# Altium PCB BC2-1AA.PcbDoc (part 1 of 2)
Units mm, origin at the board's own origin, x right, y up, seen from the top; angles counter-clockwise.
Board outline 200 x 80 mm, 4 copper layers (Top Layer, Mid 1 (GND), Mid 2 (PWR), Bottom Layer), stack 1.586 mm thick; 113 components, 55 nets, 355 pads, 77 vias.
Unrouted connection lines stored in the file: 7.
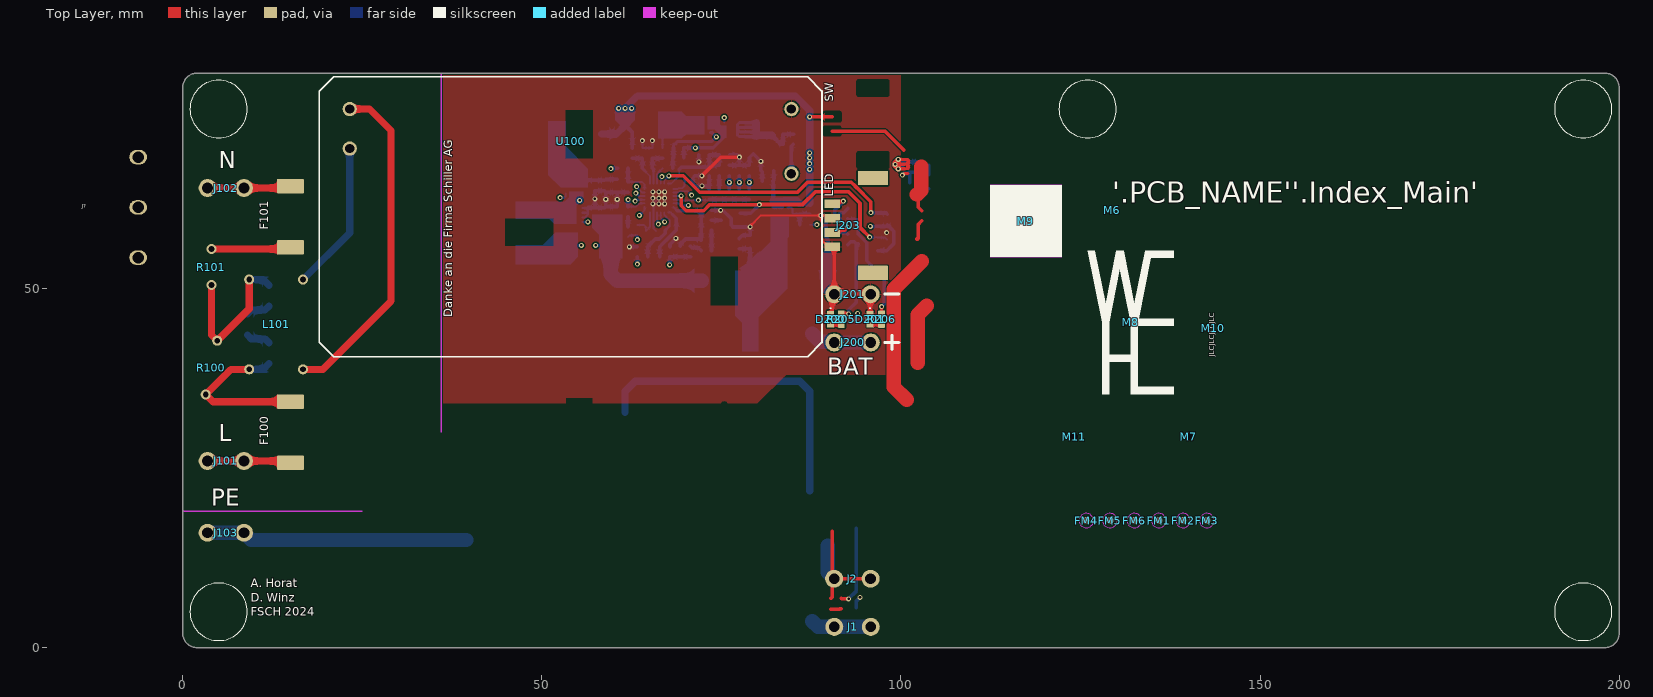
[diagram p0: Top Layer view]
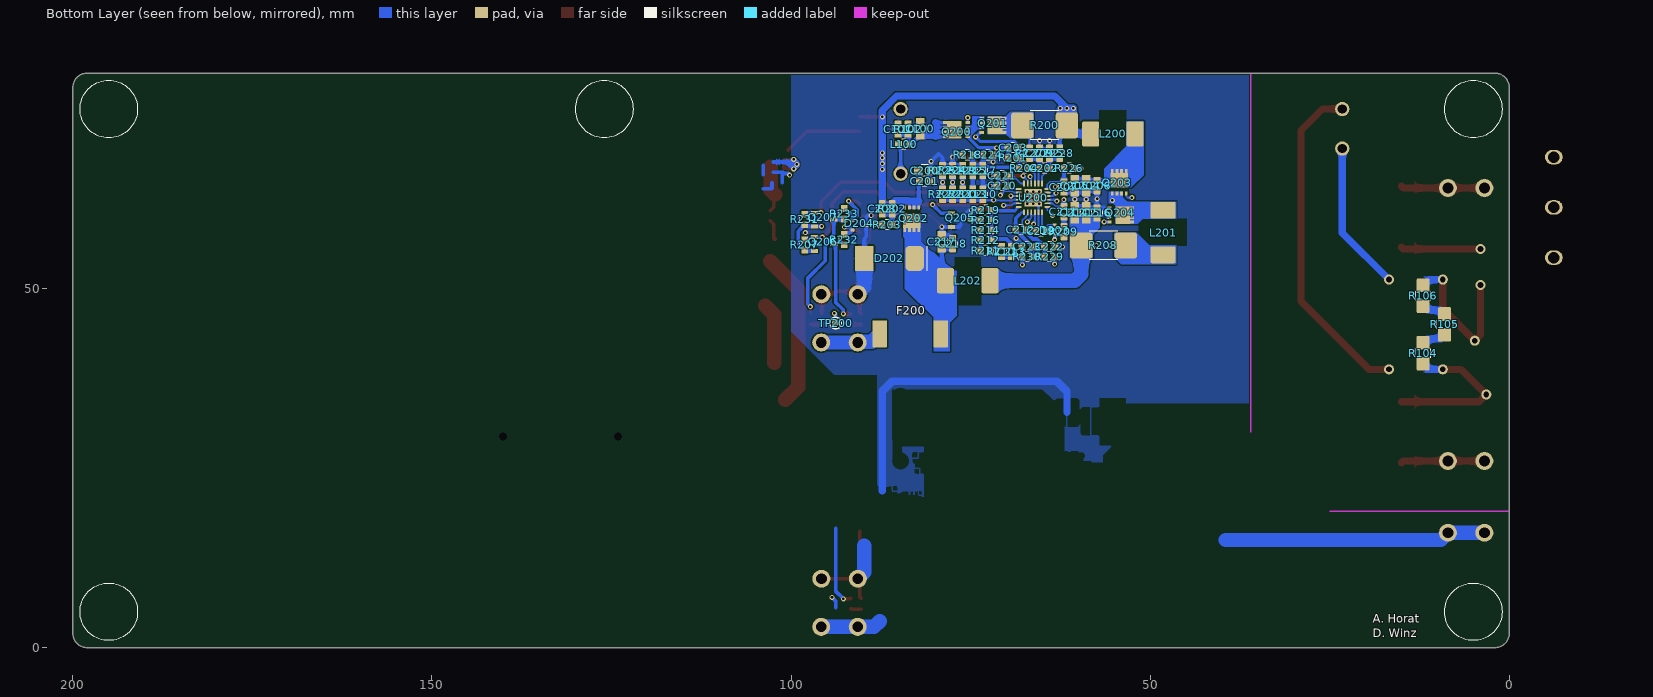
[diagram p1: Bottom Layer view, seen from below]
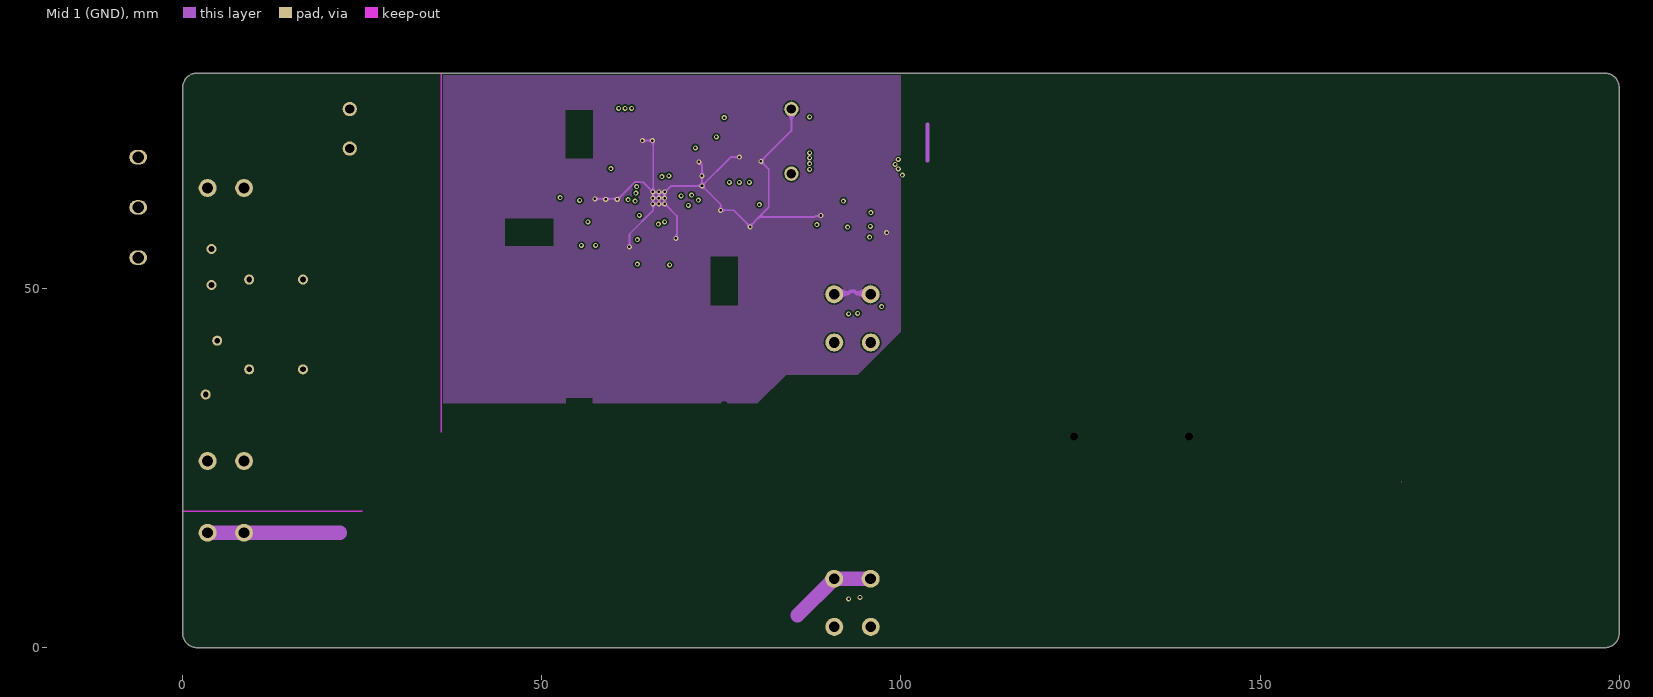
[diagram p2: Mid 1 (GND)]
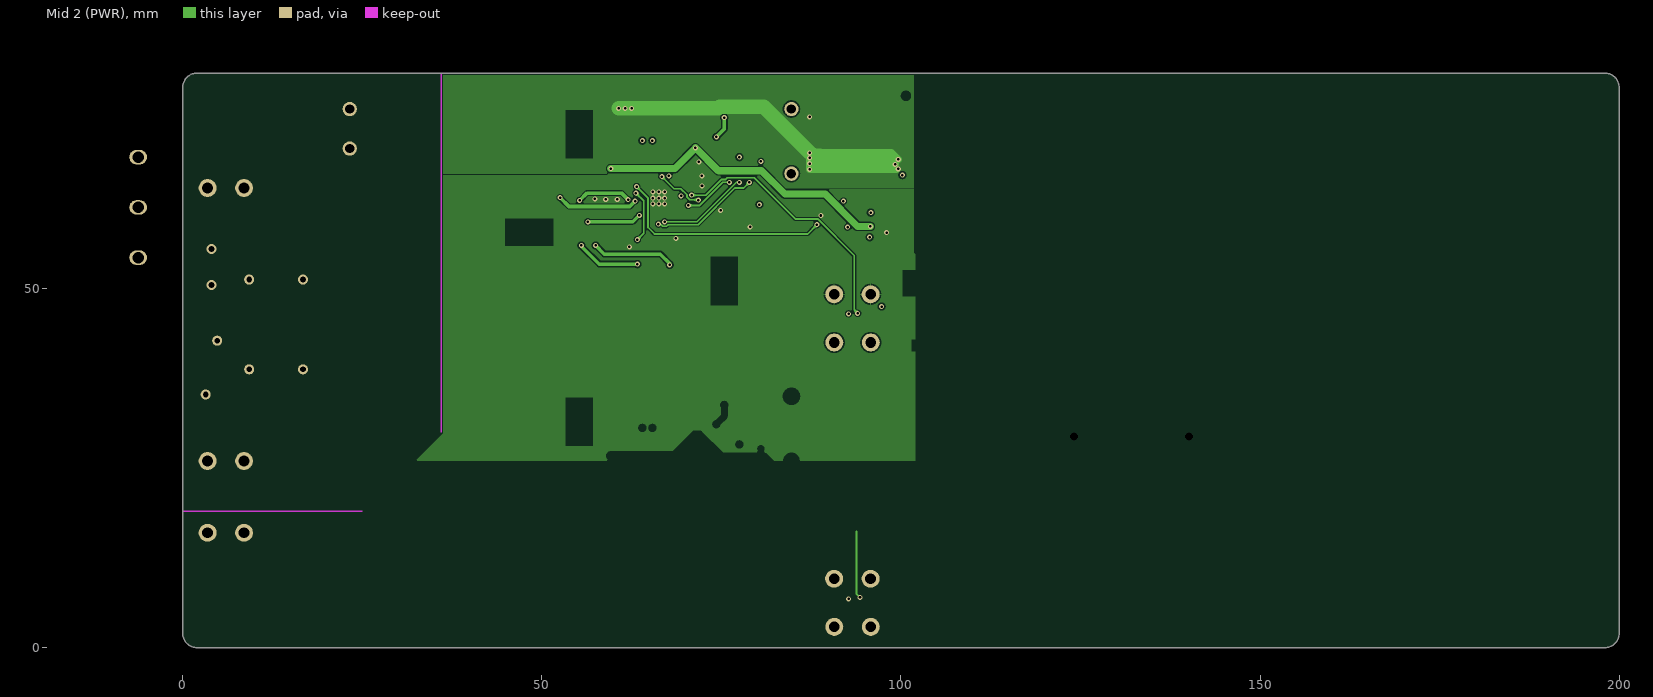
[diagram p3: Mid 2 (PWR)]
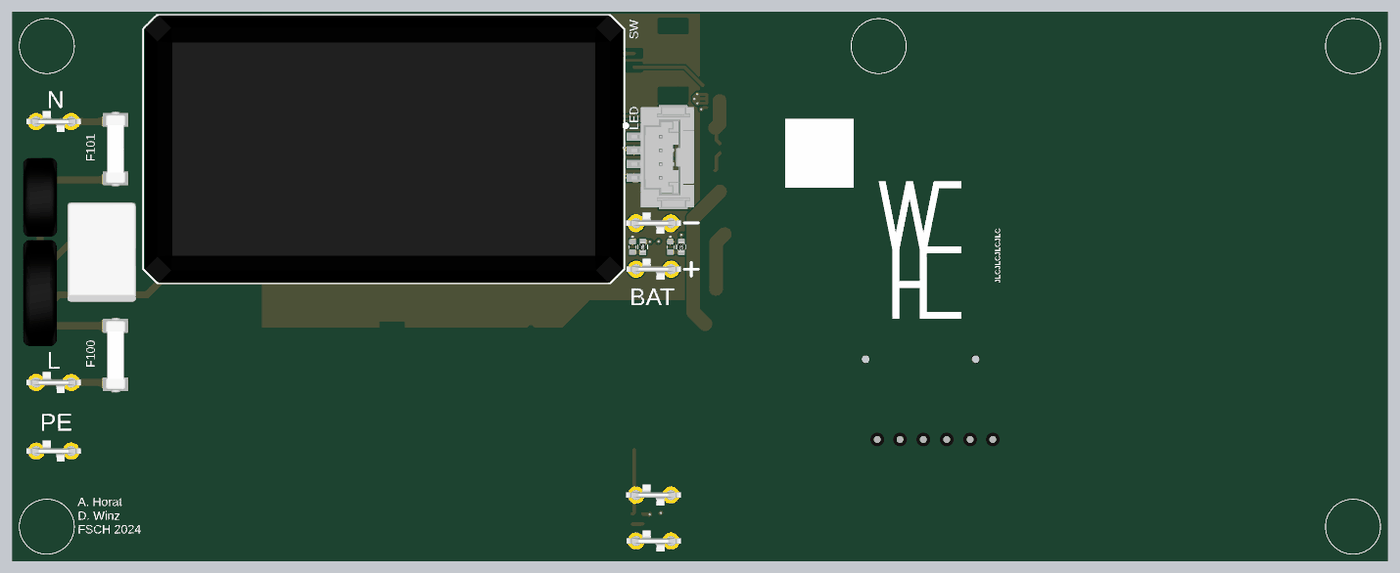
[diagram p5: 3D render of the assembled board from above, using the file's embedded part models]
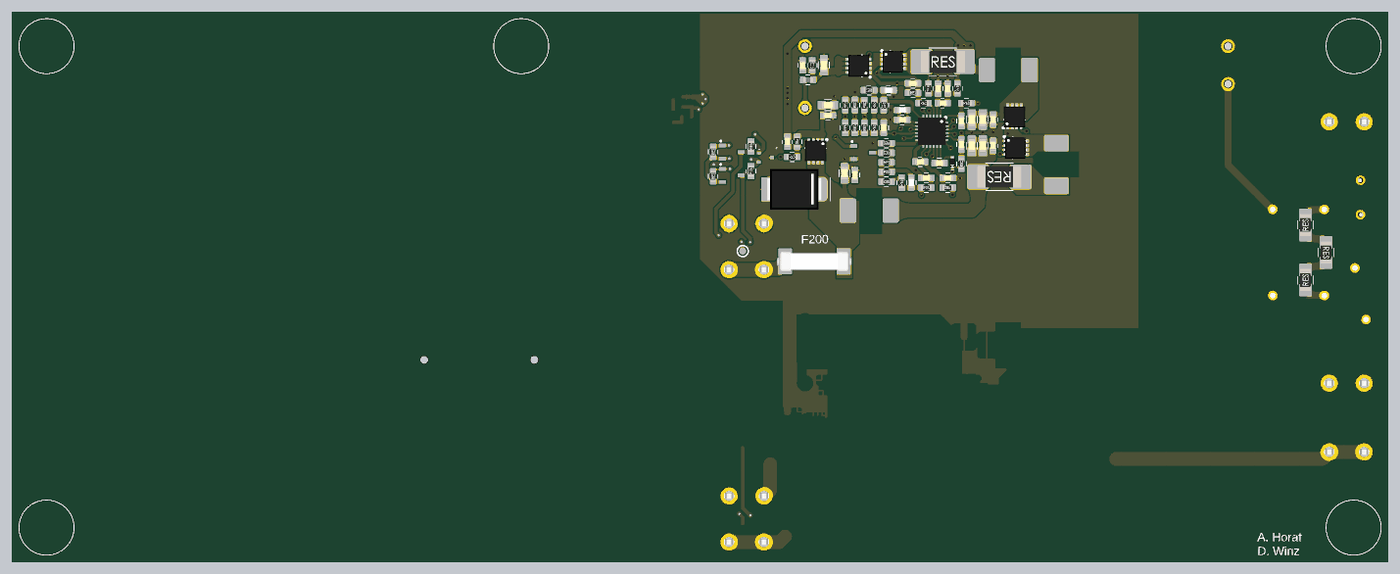
[diagram p6: 3D render of the assembled board from below, using the file's embedded part models]

## Layer stack, top to bottom
Top Solder: solder mask 0.0102, Solder Resist, Dk 3.5
Top Layer: signal copper 0.035
Dielectric 2: prepreg 0.2104, PP-006, Dk 4.1
Mid 1 (GND): signal copper 0.0152
Dielectric 1: dielectric 1.065, FR-4, Dk 4.8
Mid 2 (PWR): signal copper 0.0152
Dielectric 3: prepreg 0.2104, PP-006, Dk 4.1
Bottom Layer: signal copper 0.035
Bottom Solder: solder mask 0.0102, Solder Resist, Dk 3.5

## Board outline
0,2 ccw(c2,2) 2,0 198,0 ccw(c198,2) 200,2 200,78 ccw(c198,78) 198,80 2,80 ccw(c2,78) 0,78

## Design rules (kind name [scope] priority, off if disabled: settings)
BoardOutlineClearance [All] p1: gap=0.3 ignorepadtopadclearanceinfootprint=FALSE except(0: Arc-SplitContinuation Track-SplitContinuation SMDPad-SplitContinuation THPad-SplitContinuation Via-SplitContinuation Fill-SplitContinuation Poly-SplitContinuation Region-SplitContinuation Text-SplitContinuation)
Clearance Clearance_Nettie [InNet('NetJ50_1') or InNet('NetJ47_1') vs InNet('GND')] p1: gap=0 ignorepadtopadclearanceinfootprint=TRUE except(0.25: Arc-Poly Track-Poly SMDPad-Poly THPad-Poly Via-Poly Fill-Poly Poly-Poly)
Clearance Clearance_1 [All] p2: gap=0.2 ignorepadtopadclearanceinfootprint=FALSE except(0: Arc-Hole Track-Hole SMDPad-Hole THPad-Hole Via-Hole Fill-Hole Poly-Hole Region-Hole Text-Hole; 0.15: Arc-Arc Arc-Track Arc-SMDPad Arc-THPad Arc-Via Arc-Text Track-Track Track-SMDPad Track-THPad Track-Via Track-Text SMDPad-SMDPad SMDPad-THPad SMDPad-Via SMDPad-Text THPad-THPad THPad-Via THPad-Text Via-Via Via-Text Text-Text)
Clearance Clearance_LN1 [InNet('LN1') vs InNet('LN2')or InNet('L_f')] p3: gap=1 ignorepadtopadclearanceinfootprint=FALSE except(0: Arc-Hole Track-Hole SMDPad-Hole THPad-Hole Via-Hole Fill-Hole Poly-Hole Region-Hole Text-Hole)
Clearance Clearance_LN2 [InNet('LN2') vs InNet('LN1')or InNet('N_f')] p4: gap=1 ignorepadtopadclearanceinfootprint=FALSE except(0: Arc-Hole Track-Hole SMDPad-Hole THPad-Hole Via-Hole Fill-Hole Poly-Hole Region-Hole Text-Hole)
Clearance Clearance_L_N [InNet('L') or InNet('L_f')       or InNet('L_filt') vs InNet('N') or InNet('N_f')    or InNet('N1')         or InNet('N_filt')] p5: gap=3 ignorepadtopadclearanceinfootprint=FALSE except(0: Arc-Hole Track-Hole SMDPad-Hole THPad-Hole Via-Hole Fill-Hole Poly-Hole Region-Hole Text-Hole)
Clearance Clearance_Main [InNetClass('MAIN') vs not InNetClass('MAIN')] p6: gap=5 ignorepadtopadclearanceinfootprint=FALSE except(0: Arc-Hole Track-Hole SMDPad-Hole THPad-Hole Via-Hole Fill-Hole Poly-Hole Region-Hole Text-Hole)
DiffPairsRouting DiffPairsRouting_1 [InDifferentialPairClass('Ethernet')] p1: maxlimit=0.2 minlimit=0.2 mostfreqgap=0.2 toplayer_minwidth=0.25 toplayer_maxwidth=0.25 toplayer_prefwidth=0.25 midlayer1_minwidth=0.15 midlayer1_maxwidth=0.15 midlayer1_prefwidth=0.15 midlayer2_minwidth=0.15 midlayer2_maxwidth=0.15 midlayer2_prefwidth=0.15 bottomlayer_minwidth=0.25 bottomlayer_maxwidth=0.25 bottomlayer_prefwidth=0.25 impedanceprofiledriven=TRUE impedanceprofileid={F314AFD9-4B0A-4155-A8AD-14F866BC571A} impedanceprofilevalue=100.000000 maxuncoupledlength=12.7
DiffPairsRouting [All] p2: maxlimit=0.254 minlimit=0.254 mostfreqgap=0.254 toplayer_minwidth=0.381 toplayer_maxwidth=0.381 toplayer_prefwidth=0.381 midlayer1_minwidth=0.381 midlayer1_maxwidth=0.381 midlayer1_prefwidth=0.381 midlayer2_minwidth=0.381 midlayer2_maxwidth=0.381 midlayer2_prefwidth=0.381 bottomlayer_minwidth=0.381 bottomlayer_maxwidth=0.381 bottomlayer_prefwidth=0.381 maxuncoupledlength=12.7
Height [All] p1: minheight=0 maxheight=100 prefheight=12.7
HoleSize [All] p1: absolutevalues=TRUE maxlimit=27 minlimit=0.3 maxpercent=80.000 minpercent=20.000
HoleToHoleClearance [All] p1: gap=0.3 allowstackedmicrovias=TRUE
MinimumSolderMaskSliver [All] p1: minsoldermaskwidth=0.1
PolygonConnect [All] p1: thpad.connectstyle=Relief thpad.reliefconductorwidth=0.2 thpad.reliefentries=4 thpad.polygonreliefangle="90 Angle" thpad.airgapwidth=0.2 smdpad.connectstyle=Relief smdpad.reliefconductorwidth=0.2 smdpad.reliefentries=4 smdpad.polygonreliefangle="90 Angle" smdpad.airgapwidth=0.2 via.connectstyle=Direct via.reliefconductorwidth=0.254 via.reliefentries=4 via.polygonreliefangle="90 Angle" via.airgapwidth=0.254
RoutingVias [All] p1: holewidth=0.35 width=0.7 viastyle="Through Hole" minholewidth=0.35 minwidth=0.7 maxholewidth=5 maxwidth=6
SilkToSilkClearance [All] p1: silktosilkclearance=0.1
SilkToSolderMaskClearance [IsPad] p1: minsilkscreentomaskgap=0.1 clearancetoexposedcopper=TRUE
SolderMaskExpansion [All] p1: expansion=0.05 istentingtop=FALSE
UnRoutedNet [All] p1: checkbadconnections=TRUE
Width [All] p1: maxlimit=5 minlimit=0.15 preferedwidth=0.2 minimp=50.000000 maximp=50.000000 favimp=50.000000
22 further rules are at their usual default settings.

## Classes and differential pairs
component class TOP: FM1 FM2 FM3 FM4 FM5 FM6 J1 J2 M6 M7 M8 M9 M10 M11
net class MAIN: L L_f L_filt LN1 LN2 N N1 N_f N_filt
component class "Mains input": C100 C101 F100 F101 J101 J102 J103 J? L100 L101 R100 R101 R102 R104 R105 R106 U100
component class "Charger Upper": C200 C201 C202 C203 C204 C205 C206 C207 C208 C209 C210 C211 C212 C213 C214 C215 C216 C217 C218 C219 C220 C221 C222 C223 C224 C225 D200 D201 D202 D203 D204 F200 J200 J201 J203 L200 L201 L202 Q200 Q201 Q202 Q203 Q204 Q205 Q206 Q207 R200 R201 R202 R203 R204 R205 R206 R207 R208 R209 R210 R211 R212 R213 R214 R215 R216 R217 R218 R219 R220 R221 R222 R223 R224 R225 R226 R227 R228 R229 R230 R231 R232 R233 TP200 U200

## Components (designator, comment, footprint, x,y, rotation, side; value= is the part's Value field where it differs from the comment)
C100 "10U/0805/50V/X5R" CAP0805_X7R 82,72.25 r90 bottom value=10uF
C101 "100N/0603/50V/X7R" CAP0603_X7R 85.1,72.2 r90 bottom value=100nF
C200 "10U/0805/50V/X5R" CAP0805_X7R 81.4,66.427 r180 bottom value=10uF
C201 "100N/0603/50V/X7R" CAP0603_X7R 81.4,64.927 r180 bottom value=100nF
C202 "100N/0603/50V/X7R" CAP0603_X7R 64.725,66.727 r180 bottom value=100nF
C203 "100N/0603/50V/X7R" CAP0603_X7R 69.051,69.599 r180 bottom value=100nF
C204 "10U/0805/50V/X5R" CAP0805_X7R 58.9,64.327 r270 bottom value=10uF
C205 "10U/0805/50V/X5R" CAP0805_X7R 60.5,64.327 r270 bottom value=10uF
C206 "100N/0603/50V/X7R" CAP0603_X7R 57.4,64.327 r270 bottom value=100nF
C207 "1.0U/0603/50V/X7R" CAP0603_X7R 62,64.127 r90 bottom value=1.0uF
C208 "100N/0603/50V/X7R" CAP0603_X7R 87.299,61.1 r270 bottom value=100nF
C209 "100N/0603/50V/X7R" CAP0603_X7R 65.4,68.852 r90 bottom value=100nF
C210 "1.0U/0603/50V/X7R" CAP0603_X7R 73.3,63.127 r90 bottom value=1.0uF
C211 "1.0U/0603/50V/X7R" CAP0603_X7R 62,60.7 r90 bottom value=1.0uF
C212 "100N/0603/50V/X7R" CAP0603_X7R 67.999,58.2 r0 bottom value=100nF
C213 "10P/0603/50V/C0G" CAP0603_C0G 69.3,55.152 r90 bottom value=10pF
C214 "22U/0805/25V/X5R" CAP0805_X7R 60.5,60.527 r90 bottom value=22uF
C215 "22U/0805/25V/X5R" CAP0805_X7R 58.9,60.527 r90 bottom value=22uF
C216 "100N/0603/50V/X7R" CAP0603_X7R 57.4,60.527 r90 bottom value=100nF
C217 "10U/0805/50V/X5R" CAP0805_X7R 79,56.527 r90 bottom value=10uF
C218 "100N/0603/50V/X7R" CAP0603_X7R 77.5,56.252 r90 bottom value=100nF
C219 "1.0U/0603/50V/X7R" CAP0603_X7R 65.199,58 r180 bottom value=1.0uF
C220 "100N/0603/50V/X7R" CAP0603_X7R 70.599,64.3 r0 bottom value=100nF
C221 "10N/0603/50V/C0G" CAP0603_C0G 70.599,65.7 r0 bottom value=10nF
C222 "100N/0603/50V/X7R" CAP0603_X7R 63.975,55.827 r180 bottom value=100nF
C223 "100N/0603/50V/X7R" CAP0603_X7R 67.125,55.827 r0 bottom value=100nF
C224 "10P/0603/50V/C0G" CAP0603_C0G 72.575,68.6 r180 bottom value=10pF
C225 "100N/0603/50V/X7R" CAP0603_X7R 64,68.852 r90 bottom value=100nF
D200 "LED Green" LED0603_GREEN 90.2,45.738 r270 top value=Green
D201 "LED Red" LED0603_RED 95.7,45.738 r270 top value=Red
D202 "5.0SMDJ15CA" DIOM7959X265 86.3,54.2 r0 bottom
D203 "BAS70-02V-G3-08" SOD1608X065 63.3,58.127 r90 bottom value=70V/100mA
D204 "PESD1CAN-UX" SOT65P210X95-3-SE 90.5,58.8 r0 bottom
F100 "3.15A/UMT250/FUSE" UMT250 15,30 r90 top value=3.15A
F101 "3.15A/UMT250/FUSE" UMT250 15,60 r270 top value=3.15A
F200 "6.3A/UMT250/FUSE" UMT250 83.4,43.7 r0 bottom value=6.3A
FM1 "Fidu_1mm" FIDU-1MM 135.9,17.7 r0 top
FM2 "Fidu_1mm" FIDU-1MM 139.3,17.7 r0 top
FM3 "Fidu_1mm" FIDU-1MM 142.6,17.7 r0 top
FM4 "Fidu_1mm" FIDU-1MM 125.8,17.7 r0 top
FM5 "Fidu_1mm" FIDU-1MM 129.1,17.7 r0 top
FM6 "Fidu_1mm" FIDU-1MM 132.5,17.7 r0 top
J1 "6.35mmx0.81mm Tab THT" Tab_THT_635 93.26,2.9 r180 top
J2 "6.35mmx0.81mm Tab THT" Tab_THT_635 93.24,9.6 r180 top
J101 "6.35mmx0.81mm Tab THT" Tab_THT_635 6,26 r0 top
J102 "6.35mmx0.81mm Tab THT" Tab_THT_635 6,64 r0 top
J103 "6.35mmx0.81mm Tab THT" Tab_THT_635 6,16 r0 top
J200 "6.35mmx0.81mm Tab THT" Tab_THT_635 93.261,42.5 r180 top
J201 "6.35mmx0.81mm Tab THT" Tab_THT_635 93.241,49.2 r180 top
J203 "5600200420" 5600200420 94.5,58.8 r90 top
J? "GSP1.9203.1" GSP1.9203.1 -6.2,61.3 r270 top
L100 "30R/0603/FERRITE" FB0603 84.3,70.1 r180 bottom value=30R
L101 "1MH/THT/CMC" DFKH-CASE-50-2 13,45 r180 top value=1MH
L200 "470NH/6630" INDM660730X30 55.2,71.527 r180 bottom value=470NH
L201 "22UH/6630" INDM660730X30 48.199,57.8 r270 bottom value=22UH
L202 "470NH/6630" INDM660730X30 75.399,51.1 r180 bottom value=470NH
M6 "PCB NAME" PCB-NAME-5MM-LEFT 129.4,60.9 r0 top
M7 "Tooling JLC" TOOLING-JLC 140.1,29.4 r0 top
M8 "LOGO WHE" LOGO-WHE-20MM 128,35.3 r0 top
M9 "SERIAL 2D" SERIAL-2D-10MM-RESTRICT 117.4,59.4 r0 top
M10 "ORDER NO" JLC-ORDER 143.5,44.5 r90 top
M11 "Tooling JLC" TOOLING-JLC 124.1,29.4 r90 top
Q200 "MCG35P04-TP" SON065P330X330X075-5-TH245X175 76.9,72.127 r90 bottom
Q201 "MCG35P04-TP" SON065P330X330X075-5-TH245X175 71.96,72.727 r270 bottom
Q202 "MCG35P04-TP" SON065P330X330X075-5-TH245X175 83.2,59.787 r0 bottom
Q203 "GSFN1036" SON065P330X330X075-5-TH245X175 54.3,64.727 r180 bottom
Q204 "GSFN1036" SON065P330X330X075-5-TH245X175 54.16,60.227 r270 bottom
Q205 "2N7002" SOT2395P280X125-3-SE 76.3,59.527 r0 bottom
Q206 "BSS84" SOT2395P280X125-3-SE 95.4,56.2 r0 bottom
Q207 "BSS84" SOT2395P280X125-3-SE 95.4,59.6 r0 bottom
R100 "ERZ-V14D391" RESD750W80D155 4,39 r90 top value=391V
R101 "25R/THT/NTC" RESD500W60D115 4,53 r270 top value=25R
R102 "1M/0603" R0603-0.40-WW 83.7,72.2 r90 bottom value=1M
R104 "330K/1206" R1206-0.80-WW 12,41 r90 bottom value=330K
R105 "330K/1206" R1206-0.80-WW 9,45 r270 bottom value=330K
R106 "330K/1206" R1206-0.80-WW 12,49 r90 bottom value=330K
R200 "0R025/2512" R2512-0.65-WW 64.7,72.727 r180 bottom value=0R025
R201 "100K/0603" R0603-0.40-WW 69.051,68.199 r180 bottom value=100K
R202 "100K/0603" R0603-0.40-WW 85.899,61.1 r270 bottom value=100K
R203 "1K/0603" R0603-0.40-WW 86.599,58.9 r180 bottom value=1K
R204 "1K/0603" R0603-0.40-WW 67.525,66.727 r180 bottom value=1K
R205 "2K2/0603" R0603-0.40-WW 91.7,45.738 r270 top value=2K2
R206 "2K2/0603" R0603-0.40-WW 97.3,45.738 r270 top value=2K2
R207 "100K/0603" R0603-0.40-WW 98.1,56.075 r90 bottom value=100K
R208 "0R025/2512" R2512-0.65-WW 56.499,56 r0 bottom value=0R025
R209 "10R/0603" R0603-0.40-WW 62,57.9 r90 bottom value=10R
R210 "51K/0603" R0603-0.40-WW 70.7,55.152 r90 bottom value=51K
R211 "680K/0603" R0603-0.40-WW 72.899,55.3 r0 bottom value=680K
R212 "100K/0603/NTC/4700K" R0603-0.40-WW 72.899,56.7 r180 bottom value=100K
R213 "47K/0603" R0603-0.40-WW 74.7,63.127 r90 bottom value=47K
R214 "110K/0603" R0603-0.40-WW 72.899,58.1 r180 bottom value=110K
R215 "20K/0603" R0603-0.40-WW 74.7,66.427 r90 bottom value=20K
R216 "3M3/0603" R0603-0.40-WW 72.899,59.5 r0 bottom value=3M3
R217 "100K/0603/NTC/4700K" R0603-0.40-WW 73.3,66.427 r270 bottom value=100K
R218 "150K/0603" R0603-0.40-WW 75.425,68.6 r0 bottom value=150K
R219 "150K/0603" R0603-0.40-WW 72.899,60.9 r0 bottom value=150K
R220 "75K/0603" R0603-0.40-WW 76.099,63.127 r90 bottom value=75K
R221 "16K/0603" R0603-0.40-WW 77.499,63.127 r90 bottom value=16K
R222 "62K/0603" R0603-0.40-WW 78.899,63.127 r90 bottom value=62K
R223 "24K/0603" R0603-0.40-WW 76.099,66.427 r90 bottom value=24K
R224 "2K2/0603" R0603-0.40-WW 77.499,66.452 r90 bottom value=2K2
R225 "27K/0603" R0603-0.40-WW 78.899,66.427 r90 bottom value=27K
R226 "10R/0603" R0603-0.40-WW 61.275,66.727 r180 bottom value=10R
R227 "0R/0603" R0603-0.40-WW 66.8,68.852 r270 bottom value=0R
R228 "0R/0603" R0603-0.40-WW 62.6,68.852 r270 bottom value=0R
R229 "0R/0603" R0603-0.40-WW 64,54.427 r0 bottom value=0R
R230 "0R/0603" R0603-0.40-WW 67.125,54.427 r180 bottom value=0R
R231 "100K/0603" R0603-0.40-WW 98.1,59.625 r90 bottom value=100K
R232 "0R/0603" R0603-0.40-WW 92.6,56.825 r90 bottom value=0R
R233 "0R/0603" R0603-0.40-WW 92.6,60.425 r90 bottom value=0R
TP200 "TP_SMD_1" TP_SMD_1 93.8,45.2 r90 bottom
U100 "IRM30-15" IRM30 54,60 r0 top locked